# Altium PCB SINA33D3.0.PcbDoc (part 1 of 3)
Units mil, origin at the board's own origin, x right, y up, seen from the top; angles counter-clockwise.
Board outline 5708.66 x 4251.97 mil, 2 copper layers (Top, Bottom), stack 12.7 mil thick; 275 components, 238 nets, 1094 pads, 1002 vias.
Unrouted connection lines stored in the file: 663.
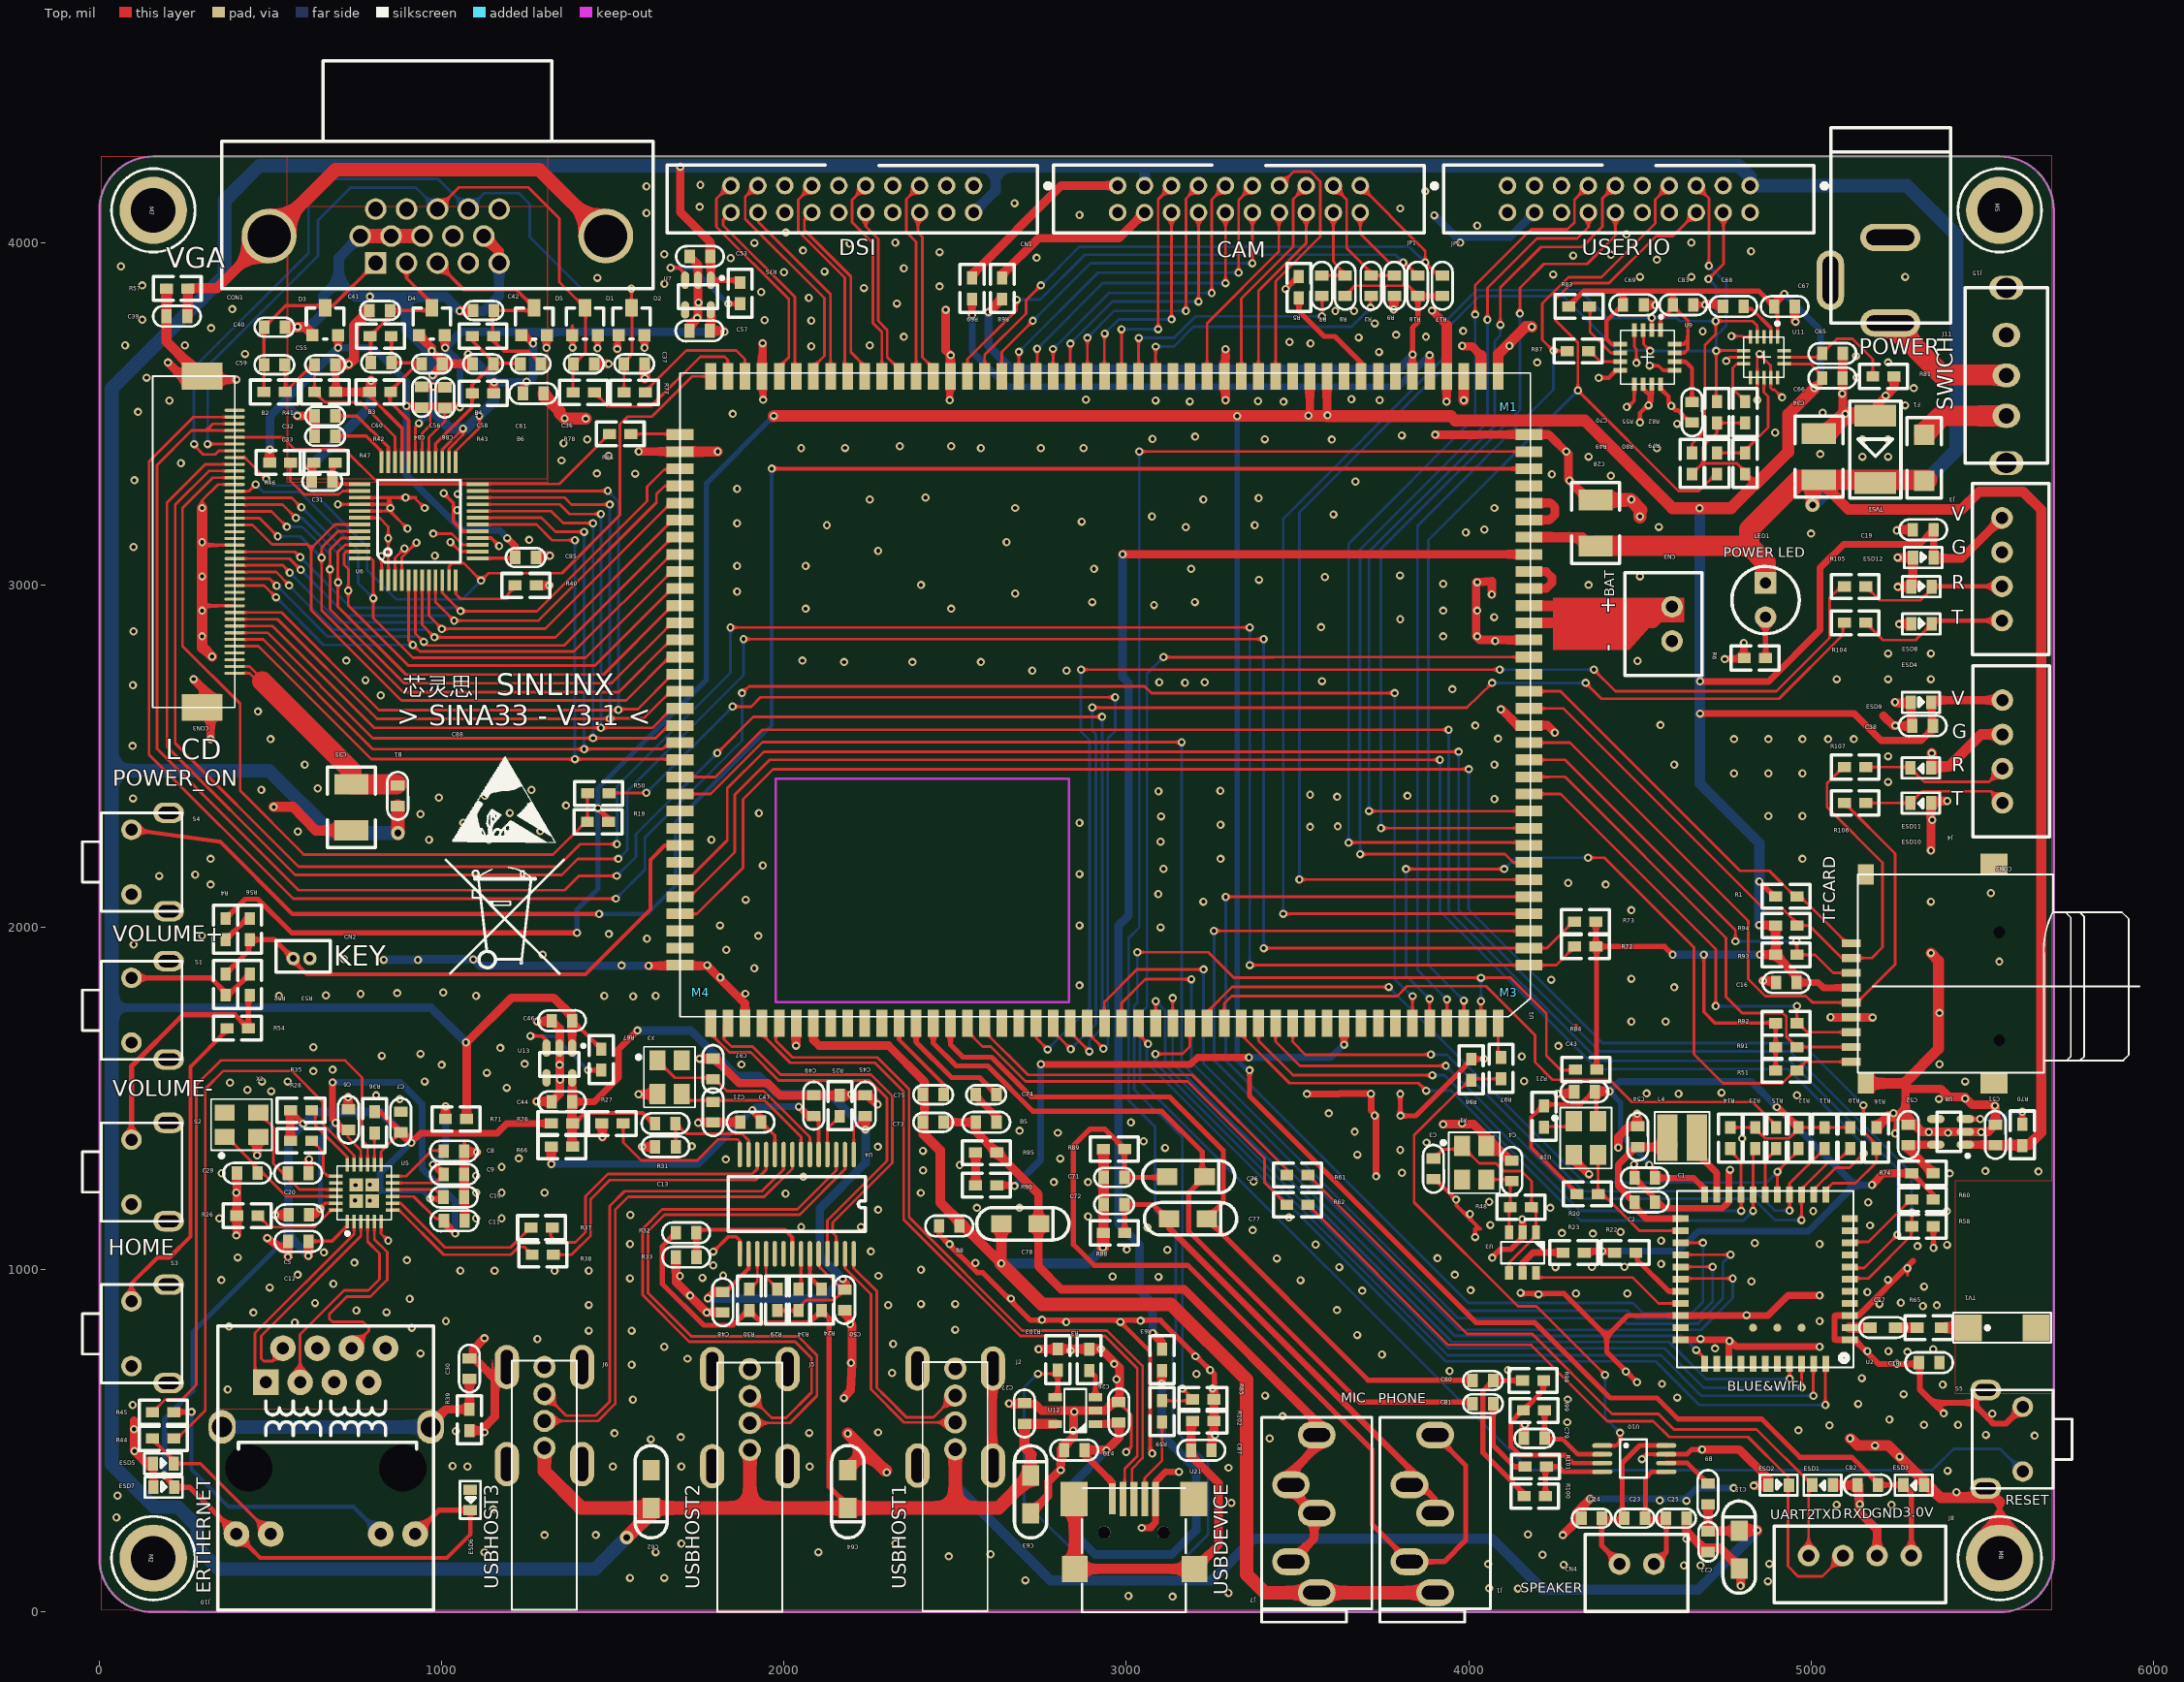
[diagram p0: Top view]
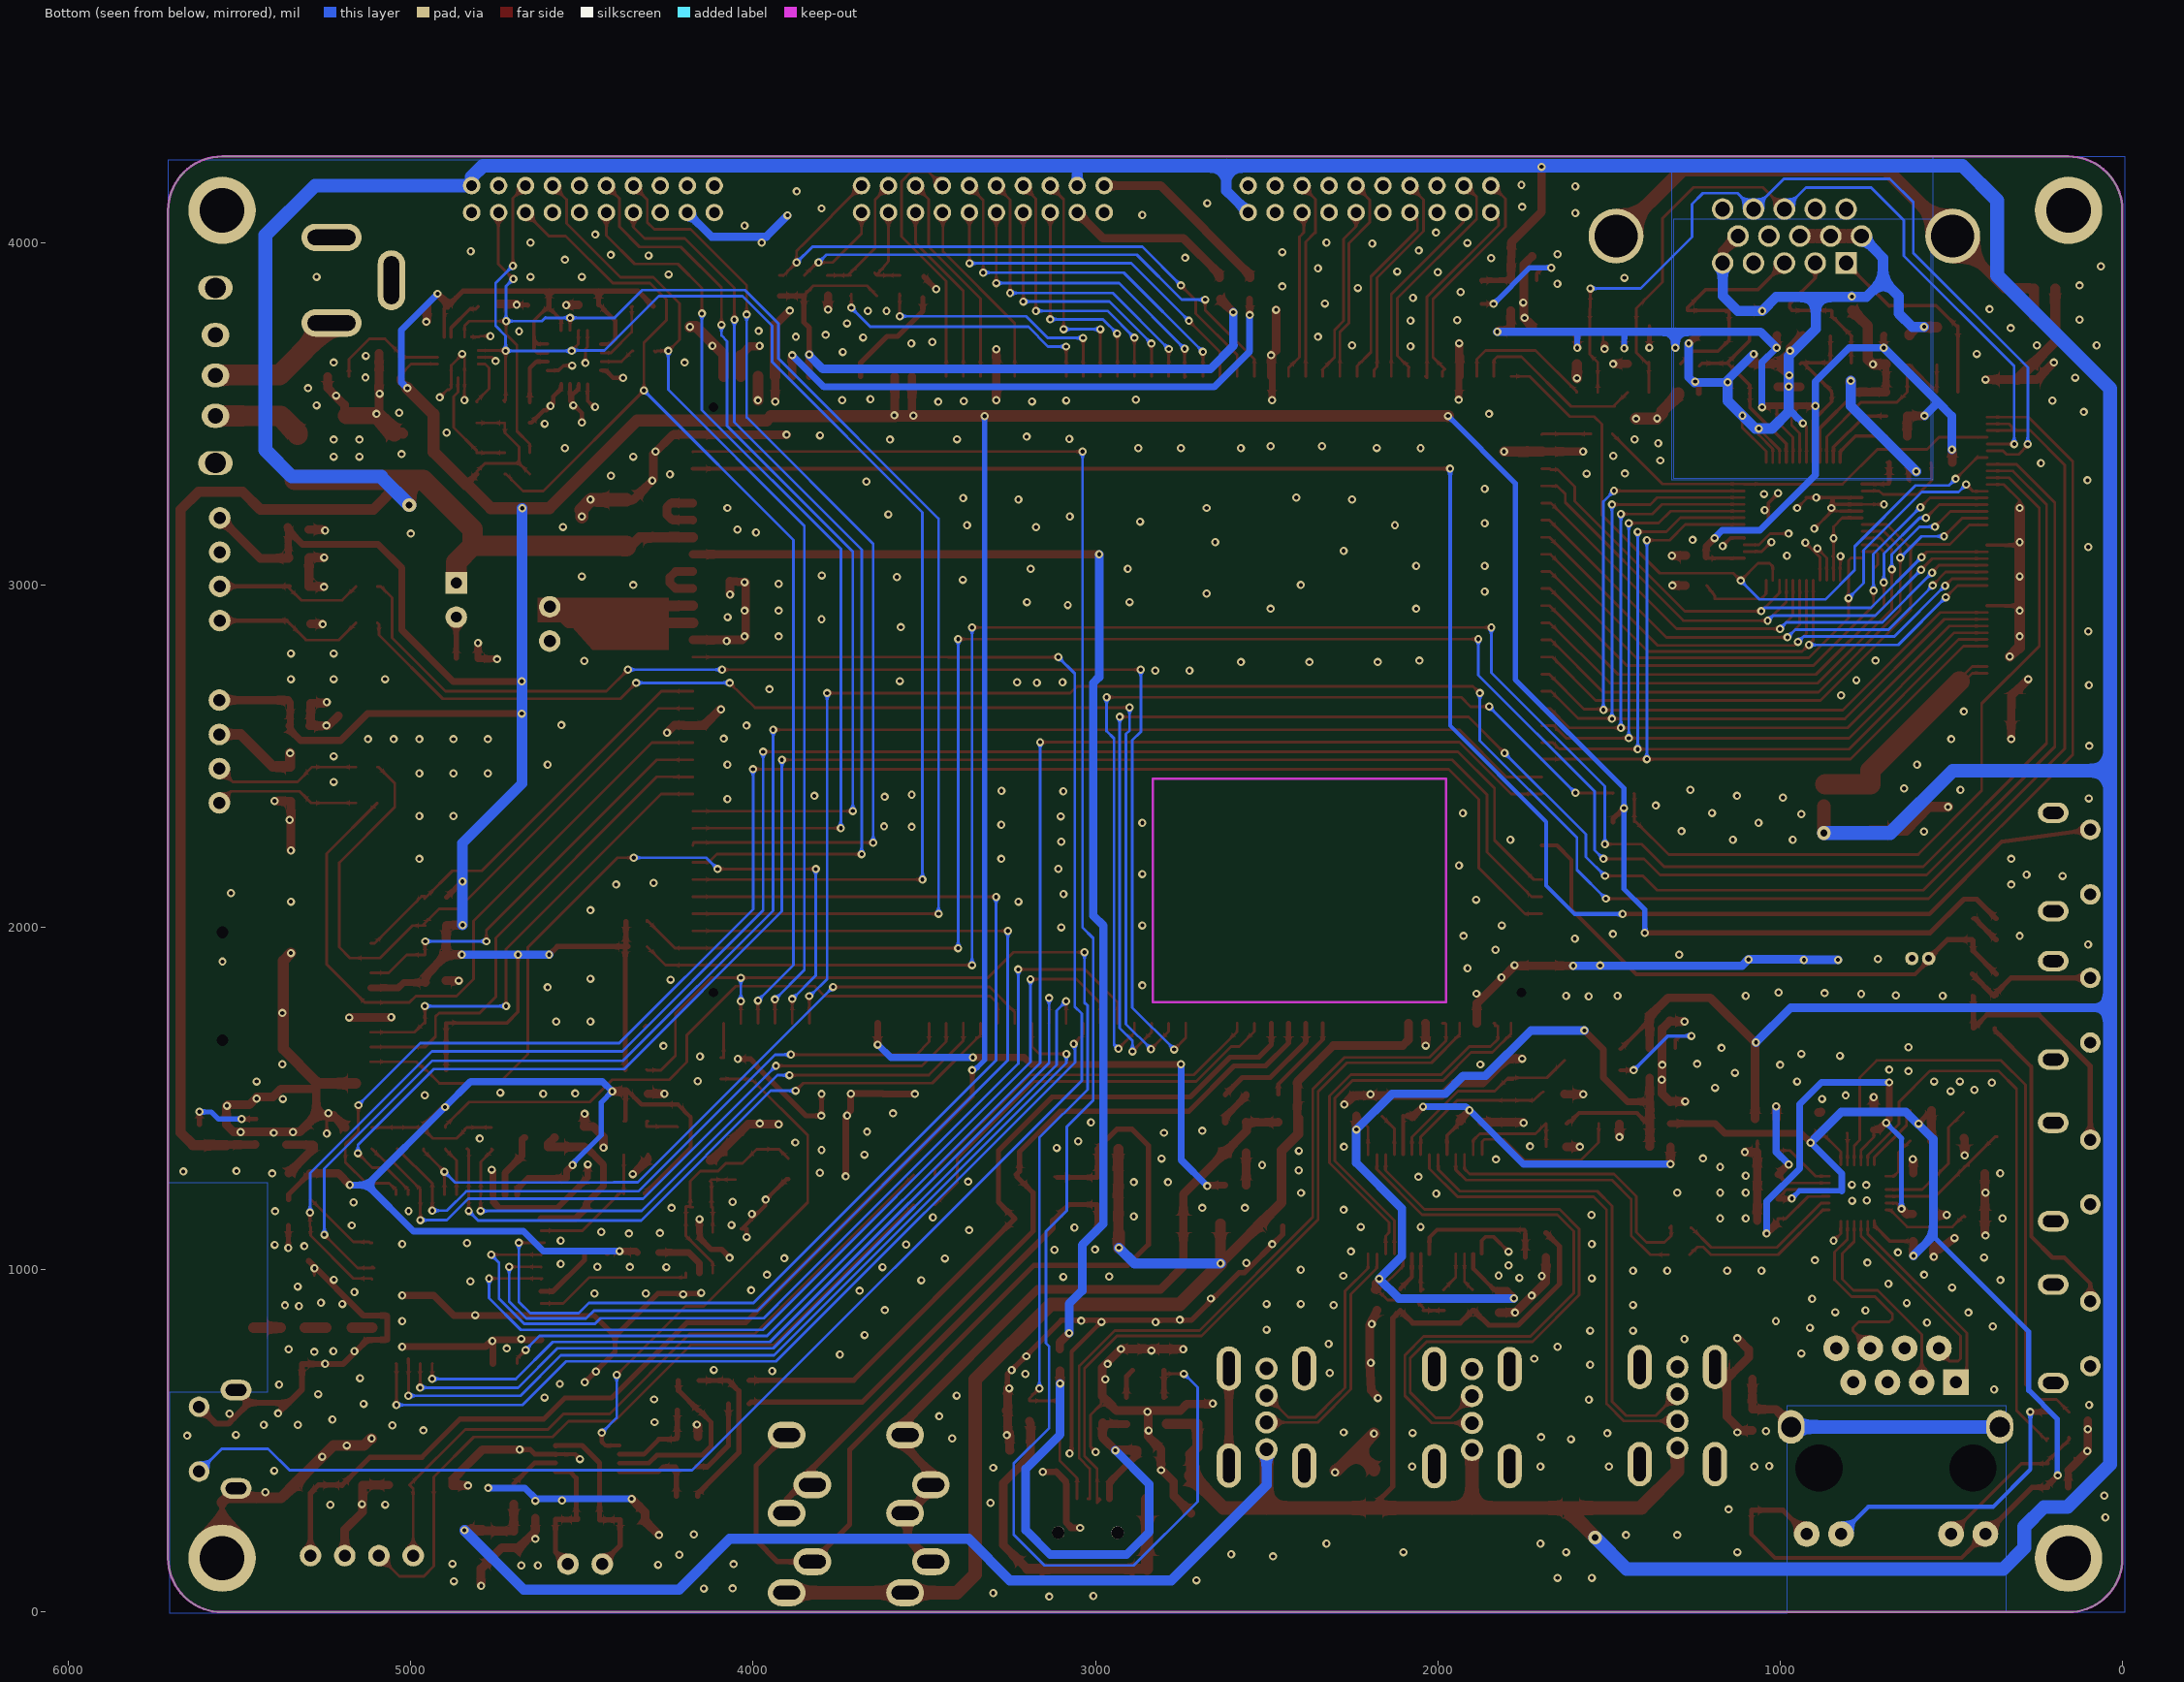
[diagram p1: Bottom view, seen from below]

## Layer stack, top to bottom
Solder Mask Top: solder mask 0.4, Solder Resist, Dk 3.5
Top: signal copper 1.35
Dielectric 1: dielectric 10, FR-4, Dk 4.3
Bottom: signal copper 1.35
Solder Mask Bottom: solder mask 0.4, Solder Resist, Dk 3.5

## Board outline
157.48,4251.97 5551.18,4251.97 cw(c5551.18,4094.49) 5708.66,4094.49 5708.66,157.48 cw(c5551.18,157.48) 5551.18,0 157.48,0 cw(c157.48,157.48) 0,157.48 0,4094.49 cw(c157.48,4094.49)

## Design rules (kind name [scope] priority, off if disabled: settings)
Clearance "Clearance - Default - DEFAULT- SMD" [IsVia vs IsSMTPin] p1: gap=6 ignorepadtopadclearanceinfootprint=FALSE
Clearance "Clearance - Default - DEFAULT - Via" [IsVia vs IsVia] p2: gap=6 ignorepadtopadclearanceinfootprint=FALSE
Clearance "Clearance - Default - DEFAULT - Net" [All] p3: gap=7 ignorepadtopadclearanceinfootprint=FALSE except(0: Arc-Hole Track-Hole SMDPad-Hole THPad-Hole Via-Hole Fill-Hole Poly-Hole Region-Hole Text-Hole; 5.91: Arc-Fill Arc-Poly Arc-Region Track-Fill Track-Poly Track-Region SMDPad-Fill SMDPad-Poly SMDPad-Region; 10: THPad-Fill THPad-Poly THPad-Region Via-Fill Via-Poly Via-Region Fill-Fill Fill-Poly Fill-Region Poly-Poly Poly-Region Region-Region Text-Text)
ComponentClearance "ComponentClearance - Default - DEFAULT" [All] p1: gap=7 collisioncheckmode=3 verticalgap=10 showdistances=FALSE
FanoutControl Fanout_Small [(CompPinCount < 5)] p2: bgadir=Out bgaviamode=Centered fanoutstyle=Auto fanoutdirection=OutThenIn viagrid=1 // Fanout_Small (Default Rule)
FanoutControl Fanout_LCC [IsLCC] p3: bgadir=Out bgaviamode=Centered fanoutstyle=Auto fanoutdirection=Alternating viagrid=1 // Fanout_LCC (Default Rule)
FanoutControl Fanout_SOIC [IsSOIC] p4: bgadir=Out bgaviamode=Centered fanoutstyle=Auto fanoutdirection=Alternating viagrid=1 // Fanout_SOIC (Default Rule)
HoleToHoleClearance "HoleToHoleClearance - Default - DEFAULT" [All] p1: gap=7 allowstackedmicrovias=TRUE
Length "Default Length" [All] p1: maxlimit=50000 minlimit=0
MaxMinImpedance "Default Impedance" [All] p1: minimum=50.00 maximum=150.0
ParallelSegment "Default Parallel Segment Adjasent" [All] p1: limit=1000 gap=200
ParallelSegment "Default Parallel Segment Same Layer" [All] p2: limit=1000 gap=200
PlaneConnect "Default PlaneConnect" [All] p1: planeconnectstyle=Relief reliefexpansion=20 reliefentries=0 reliefconductorwidth=35 reliefairgap=10
PolygonConnect "PolygonConnect - Default SMT" [IsSMTPin] p1: connectstyle=Relief reliefconductorwidth=15 reliefentries=4 polygonreliefangle="45 Angle" airgapwidth=10
PolygonConnect "PolygonConnect - Default Pad" [All] p2: connectstyle=Relief reliefconductorwidth=35 reliefentries=4 polygonreliefangle="45 Angle" airgapwidth=10
RoutingLayers "RoutingLayers - Default - DEFAULT" [All] p1: top layer_v5=TRUE bottom layer_v5=TRUE
RoutingPriority "RoutingPriority - Default - DEFAULT" [All] p1: routingpriority=3
RoutingTopology "RoutingTopology - Net - GND" [InNet('GND') vs InNet('GND')] p1: topology=Shortest
RoutingTopology "Default Routing Topology" [All] p2: topology=Shortest
RoutingVias "RoutingVias - Default - DEFAULT" [All] p1: holewidth=12 width=24 viastyle="Through Hole" minholewidth=12 minwidth=24 maxholewidth=12 maxwidth=24
SMDToCorner "SMDToCorner - Default - DEFAULT" [All] p1: distance=60000
SolderMaskExpansion "SolderMaskExpansion from CAM settings" [All] p1: expansion=5
Width "Default Width" [All] p1: maxlimit=100 minlimit=8 preferedwidth=8
19 further rules are at their usual default settings.

## Components (designator, comment, footprint, x,y, rotation, side; value= is the part's Value field where it differs from the comment)
B1 "0603A" 0603A 871.66,2353.94 r90 top
B2 "0603" 0603 511.42,3563.78 r180 top
B3 "0603" 0603 821.26,3726.77 r180 top
B4 "0603" 0603 1120.48,3726.77 r0 top
B5 "0603A" 0603A 2620.87,1431.1 r180 top
B6 "0603A" 0603A 1297.64,3560.24 r180 top
B8 "0603A" 0603A 2513,1128.35 r180 top
B9 "0603A" 0603A 4698.43,375.59 r270 top
C1 "0603A" 0603A 4544.53,1268.51 r180 top
C2 "0603A" 0603A 4544.53,1198.43 r180 top
C3 "0603A" 0603A 3896.46,1325.2 r270 top
C4 "0603A" 0603A 4126.38,1258.27 r90 top
C5 "0603A" 0603A 551.97,1160.24 r0 top
C6 "0603A" 0603A 727.17,1468.9 r270 top
C7 "0603A" 0603A 880.71,1401.18 r90 top
C8 "0603A" 0603A 1066.15,1346.85 r180 top
C9 "0603A" 0603A 1066.15,1279.14 r180 top
C10 "0603A" 0603A 1004.73,1211.81 r0 top
C11 "0603A" 0603A 1006.3,1142.52 r0 top
C12 "0603A" 0603A 550.79,1082.29 r0 top
C13 "0603A" 0603A 1683.86,1359.85 r180 top
C14 "0603A" 0603A 2877.95,473.62 r180 top
C15 "3216A" 3216A 4790.16,237.01 r90 top
C16 "0603A" 0603A 4957.88,1839.18 r180 top
C17 "0603ABA" 0603ABA 5180,830.71 r0 top
C18 "0603A" 0603A 5314.57,727.95 r0 top
C19 "0603A" 0603A 5357.87,3162.2 r180 top
C20 "0603A" 0603A 611.03,1282.29 r180 top
C21 "0603A" 0603A 1792.92,1429.92 r90 top
C22 "C_0603" C_0603 4699.22,205.91 r270 top
C23 "C_0603" C_0603 4484.26,274.02 r0 top
C24 "C_0603" C_0603 4359.06,274.02 r0 top
C25 "C_0603" C_0603 4605.91,274.02 r180 top
C26 "0603A" 0603A 2978.35,553.15 r90 top
C27 "0603A" 0603A 2702.76,550 r90 top
C28 "1210" 1210 4370.48,3181.11 r90 top
C29 "0603A" 0603A 401.58,1281.5 r0 top
C30 "0603A" 0603A 1080.32,741.74 r270 top
C31 "C_0603" C_0603 650.79,3303.15 r0 top
C32 "C_0603" C_0603 659.06,3493.7 r0 top
C33 "C_0603" C_0603 659.06,3434.26 r0 top
C34 "1210" 1210 5022.84,3374.81 r90 top
C35 "1210" 1210 735.83,2350.79 r270 top
C36 "C_0603" C_0603 1415.36,3646.07 r180 top
C37 "C_0603" C_0603 1562.6,3646.07 r180 top
C38 "0603A" 0603A 5356.3,2588.98 r180 top
C39 "0603A" 0603A 196.07,3784.65 r0 top
C40 "C_0603" C_0603 511.82,3753.15 r180 top
C41 "C_0603" C_0603 819.3,3801.97 r0 top
C42 "C_0603" C_0603 1121.66,3801.97 r0 top
C43 "0603A" 0603A 4368.5,1520 r180 top
C44 "0603A" 0603A 1381.5,1491.34 r180 top
C45 "0603A" 0603A 2237.8,1448.82 r90 top
C46 "0603A" 0603A 1381.5,1727.96 r180 top
C47 "0603A" 0603A 1932.68,1431.5 r180 top
C48 "0603A" 0603A 1820.48,935.44 r270 top
C49 "0603A" 0603A 2087.01,1448.82 r90 top
C50 "0603A" 0603A 2176.78,942.13 r270 top
C51 "0603A" 0603A 5538.98,1363.39 r90 top
C52 "0603A" 0603A 5284.65,1363.39 r90 top
C53 "0603A" 0603A 1784.65,3960.24 r180 top
C54 "0603A" 0603A 4494.1,1358.27 r90 top
C55 "C_0603" C_0603 659.06,3643.31 r0 top
C56 "C_0603" C_0603 971.26,3646.07 r0 top
C57 "0603A" 0603A 1783.47,3742.92 r180 top
C58 "C_0603" C_0603 1120.87,3646.07 r180 top
C59 "C_0603" C_0603 511.03,3643.31 r0 top
C60 "C_0603" C_0603 822.84,3649.22 r0 top
C61 "C_0603" C_0603 1259.85,3646.07 r180 top
C62 "3216A" 3216A 1611.42,304.33 r270 top
C63 "3216A" 3216A 2720.47,398.43 r90 top
C64 "3216A" 3216A 2185.83,304.33 r270 top
C65 "0603A" 0603A 5092.92,3676.77 r180 top
C66 "0603A" 0603A 5031.89,3604.33 r0 top
C67 "0603A" 0603A 4892.13,3813 r0 top
C68 "0603A" 0603A 4803.15,3814.18 r180 top
C69 "0603A" 0603A 4450.79,3817.72 r0 top
C70 "0603A" 0603A 4652.76,3474.02 r90 top
C71 "C_0603" C_0603 2963.78,1269.69 r0 top
C72 "C_0603" C_0603 2963.78,1190.55 r0 top
C73 "C_0603" C_0603 2435.43,1430.71 r0 top
C74 "C_0603" C_0603 2590.16,1511.42 r0 top
C75 "C_0603" C_0603 2435.43,1511.42 r0 top
C76 "3216A" 3216A 3228.74,1271.66 r0 top
C77 "3216A" 3216A 3234.65,1148.82 r0 top
C78 "3216A" 3216A 2744.49,1133.86 r0 top
C79 "C_0603" C_0603 4191.74,507.48 r180 top
C80 "C_0603" C_0603 4041.74,676.38 r180 top
C81 "C_0603" C_0603 4041.74,608.66 r180 top
C82 "0603A" 0603A 5195.67,371.65 r180 top
C83 "0603A" 0603A 4596.07,3818.11 r0 top
C84 "C_0603" C_0603 941.74,3548.82 r90 top
C85 "C_0603" C_0603 1244.89,3080.32 r0 top
C86 "C_0603" C_0603 1009.06,3546.85 r90 top
C87 "0603A" 0603A 3249.21,473.23 r180 top
C88 "HAND_LOGO_TOP" HAND_LOGO_TOP 1147.64,2375.59 r0 top
C97 "0603A" 0603A 1792.13,1616.93 r270 top
CN1 "IDC20S" IDC20S 2553.94,4165.75 r180 top
CN2 "CON2-2.0D" CON2-2.0D 614.96,1909.06 r0 top
CN3 "CON2-2.54D" CON2-2.54D 4594.1,2936.42 r270 top
CN4 "CON2-2.54D" CON2-2.54D 4440.56,140.16 r0 top
CON1 "VGACONX" VGACONX 987.41,3940.55 r180 top
CON2 "MEMO_HOLD_TFRPN_00815_TP01" MEMO_HOLD_TFRPN_00815_TP01 5136.62,2154.57 r270 top
CON3 "FPC40" FPC40 395.28,2742.52 r90 top
D1 "SOT23" SOT23 1418.51,3809.85 r0 top
D2 "SOT23" SOT23 1554.34,3809.85 r0 top
D3 "SOT23" SOT23 659.45,3809.85 r0 top
D4 "SOT23" SOT23 971.26,3809.85 r0 top
D5 "SOT23" SOT23 1270.08,3809.85 r0 top
ESD1 "LED_0603" LED_0603 5063.78,371.65 r180 top
ESD2 "LED_0603" LED_0603 4875.2,370.47 r0 top
ESD3 "LED_0603" LED_0603 5329.92,371.65 r180 top
ESD4 "LED_0603" LED_0603 5292.13,2885.83 r0 top
ESD5 "LED_0603" LED_0603 156.3,433.07 r0 top
ESD6 "LED_0603" LED_0603 1082.68,357.87 r270 top
ESD7 "LED_0603" LED_0603 157.88,364.18 r0 top
ESD8 "LED_0603" LED_0603 5292.13,2994.49 r0 top
ESD9 "LED_0603" LED_0603 5290.94,2656.3 r0 top
ESD10 "LED_0603" LED_0603 5350.79,2363.78 r180 top
ESD11 "LED_0603" LED_0603 5350.79,2466.14 r180 top
ESD12 "LED_0603" LED_0603 5297.64,3079.53 r0 top
F1 "1206" 1206 5330.71,3371.66 r270 top
J1 "PHONE1" PHONE1 3901.97,56.7 r270 top
J2 "USB-A8" USB-A8 2500,553.94 r0 top
J3 "CON4-2.54D" CON4-2.54D 5557.87,3096.06 r90 top
J4 "CON4-2.54D" CON4-2.54D 5559.06,2563.78 r90 top
J5 "USB-A8" USB-A8 1900,552.36 r0 top
J6 "USB-A8" USB-A8 1300,558.27 r0 top
J7 "PHONE1" PHONE1 3555.91,56.7 r270 top
J8 "CON4-2.54D" CON4-2.54D 5192.91,164.96 r0 top
J10 "RJ-45A12" RJ-45A12 486.22,670.87 r270 top
J11 "JACK-2.5MM_B" JACK-2.5MM_B 5231.5,3765.36 r0 top
J15 "SW_PB5" SW_PB5 5570.48,3612.21 r90 top
JP1 "IDC20S" IDC20S 3683.47,4165.75 r180 top
JP2 "IDC20S" IDC20S 4822.45,4165.75 r180 top
L4 "CD35" CD35 4623.23,1385.83 r180 top
LED1 "LED_3MM" LED_3MM 4866.93,2956.11 r0 top
M1 "DWK07MM" DWK07MM 4115.99,3519.57 r0 top
M2 "ZPK" ZPK 157.48,157.48 r0 top
M3 "DWK07MM" DWK07MM 4115.99,1809.57 r0 top
M4 "DWK07MM" DWK07MM 1755.67,1809.57 r0 top
M5 "ZPK" ZPK 5551.18,4094.49 r0 top
M7 "ZPK" ZPK 157.48,4094.49 r0 top
M8 "ZPK" ZPK 5551.18,157.48 r0 top
R1 "0603" 0603 4927.56,2090.75 r180 top
R2 "0603A" 0603A 3714.18,3904.73 r270 top
R3 "0603" 0603 2891.34,737.01 r270 top
R4 "0603" 0603 368.9,1994.89 r270 top locked
R5 "0603" 0603 3503.94,3869.69 r90 top
R6 "0603" 0603 4836.22,2787.01 r180 top
R7 "0603A" 0603A 3570.48,3904.73 r270 top
R8 "0603A" 0603A 3638.59,3904.73 r270 top
R9 "0603A" 0603A 3783.47,3843.7 r90 top
R10 "0603" 0603 5114.18,1384.65 r90 top
R11 "0603" 0603 5039.37,1384.65 r90 top
R12 "0603" 0603 4962.6,1384.65 r90 top
R13 "0603" 0603 4836.62,1384.65 r90 top
R14 "0603" 0603 4764.18,1384.65 r90 top
R15 "0603" 0603 4898.43,1384.65 r90 top
R16 "0603" 0603 5190.95,1384.65 r270 top
R17 "0603A" 0603A 3922.45,3904.73 r270 top
R18 "0603A" 0603A 3850,3904.73 r270 top
R19 "0603" 0603 1456.7,2308.27 r0 top
R20 "0603" 0603 4346.85,1221.26 r180 top
R21 "0603" 0603 4220.08,1447.64 r90 top
R22 "0603" 0603 4457.09,1050 r0 top
R23 "0603" 0603 4306.7,1050 r0 top
R24 "0603" 0603 2109.45,911.81 r90 top
R25 "0603" 0603 2163,1479.14 r270 top
R26 "0603" 0603 431.89,1157.88 r0 top
R27 "0603" 0603 1498.43,1427.17 r0 top
R28 "0603" 0603 588.98,1376.77 r0 top
R29 "0603" 0603 1980.71,911.81 r90 top
R30 "0603" 0603 1898.43,911.81 r90 top
R31 "0603A" 0603A 1622.84,1426.77 r0 top
R32 "0603A" 0603A 1683.47,1107.48 r0 top
R33 "0603A" 0603A 1744.49,1037.4 r180 top
R34 "0603" 0603 2042.13,911.81 r90 top
R35 "0603" 0603 588.98,1465.75 r0 top
R36 "0603" 0603 803.94,1430.32 r90 top
R37 "0603" 0603 1291.74,1122.84 r0 top
R38 "0603" 0603 1295.28,1043.7 r0 top
R39 "0603" 0603 1080.71,561.42 r270 top
R40 "0603" 0603 1245.28,2998.82 r0 top
R41 "0603" 0603 659.45,3563.78 r180 top
R42 "0603" 0603 819.69,3563.78 r0 top
R43 "0603" 0603 1120.87,3559.85 r180 top
R44 "0603" 0603 186.22,507.48 r180 top
R45 "0603" 0603 186.22,583.86 r0 top
R46 "0603" 0603 527.96,3357.88 r180 top
R47 "0603" 0603 657.09,3357.88 r180 top
R48 "0603" 0603 4152.37,1182.68 r0 top
R49 "0603" 0603 4652.37,3355.12 r270 top
R50 "0603" 0603 1457.88,2391.34 r180 top
R51 "0603" 0603 4927.56,1582.48 r180 top
R52 "0603" 0603 368.9,1833.07 r90 top locked
R53 "0603" 0603 438.98,1833.07 r90 top locked
R54 "0603" 0603 403.94,1705.52 r0 top locked
R55 "0603" 0603 4725.2,3504.33 r270 top
R56 "0603" 0603 438.98,1994.89 r90 top locked
R57 "0603" 0603 227.17,3866.14 r180 top
R58 "0603" 0603 5325.59,1126.77 r0 top
R59 "0603" 0603 3103.94,586.22 r270 top
R60 "0603" 0603 5325.59,1204.73 r0 top
R61 "0603" 0603 3499.61,1276.77 r180 top
R62 "0603" 0603 3499.61,1189.76 r180 top
R63 "0603" 0603 3103.94,737.01 r90 top
R65 "0603CA" 0603CA 5345,830.71 r180 top
R66 "0603" 0603 1351.19,1359.45 r0 top
R67 "0603" 0603 1465.75,1613.78 r90 top
R68 "0603" 0603 2637.4,3866.14 r270 top
R69 "0603" 0603 2548.82,3866.14 r270 top
R70 "0603" 0603 5617.32,1393.7 r270 top
R71 "0603" 0603 1041.74,1440.55 r0 top
R72 "0603" 0603 4340.56,1944.1 r180 top
R73 "0603" 0603 4340.56,2016.54 r180 top
R74 "0603" 0603 5325.59,1281.89 r0 top
R75 "0603" 0603 1871.66,3852.37 r90 top
R76 "0603" 0603 1351.19,1427.17 r0 top
R77 "0603" 0603 1563.39,3562.6 r180 top
R78 "0603" 0603 1414.57,3562.6 r180 top
R79 "0603" 0603 4807.48,3355.12 r90 top
R80 "0603" 0603 4725.2,3355.12 r270 top
R81 "0603" 0603 5211.42,3609.45 r180 top
R82 "0603" 0603 4807.48,3504.33 r90 top
R83 "0603" 0603 4322.45,3813.78 r0 top
R84 "0603" 0603 4342.52,1584.65 r0 top
R85 "0603" 0603 3224.02,621.26 r0 top
R86 "0603" 0603 1521.26,3441.34 r180 top
R87 "0603" 0603 4319.3,3683.47 r0 top
R88 "0603" 0603 2964.18,1107.48 r180 top
R89 "0603" 0603 2964.18,1352.76 r180 top
R90 "0603" 0603 2590.56,1246.85 r180 top
R91 "0603" 0603 4927.56,1650 r180 top
R92 "0603" 0603 4927.56,1720 r180 top
R93 "0603" 0603 4927.56,1919.89 r180 top
R94 "0603" 0603 4927.56,2005.32 r180 top
R95 "0603" 0603 2590.56,1342.13 r0 top
R96 "0603" 0603 4007.09,1584.26 r270 top
R97 "0603" 0603 4094.49,1588.59 r270 top
R98 "0603" 0603 4188.19,676.38 r180 top
R99 "0603" 0603 4190.56,588.98 r180 top
R100 "0603" 0603 4192.92,338.59 r0 top
R101 "0603" 0603 4195.28,424.81 r0 top
R102 "0603" 0603 3224.02,557.87 r0 top
R103 "0603" 0603 2799.61,737.4 r270 top
R104 "0603" 0603 5128.74,2889.76 r180 top
R105 "0603" 0603 5128.74,2995.67 r180 top
R106 "0603" 0603 5128.74,2363.39 r180 top
R107 "0603" 0603 5128.74,2468.11 r180 top
S1 "RST_KEY" RST_KEY 5.12,1614.17 r0 top locked
S2 "RST_KEY" RST_KEY 5.12,1141.73 r0 top locked
S3 "RST_KEY" RST_KEY 5.12,669.29 r0 top locked
S4 "RST_KEY" RST_KEY 5.12,2047.24 r0 top
S5 "RST_KEY" RST_KEY 5707.09,648.82 r180 top
TV1 "ANTI" ANTI 5459.84,830.31 r90 top
TVS1 "DO-214AB" DO-214AB 5187.8,3396.07 r270 top
U1 "YPK_158_1.27D" YPK_158_1.27D 1785.83,1759.06 r180 top
U2 "RTL8723BS" RTL8723BS 4866.15,972.44 r180 top
U3 "SOT23-6" SOT23-6 4196.46,1109.06 r90 top
U4 "SSOP28" SSOP28 2037.01,1191.34 r270 top
U5 "QFN24" QFN24 773.63,1224.02 r180 top
U6 "LQFP48" LQFP48 932.68,3186.22 r0 top
U7 "XC6218B" XC6218B 1748.43,3846.85 r180 top
U8 "XC6218B" XC6218B 5407.48,1402.76 r90 top
U9 "L3GD20HTR" L3GD20HTR 4522.05,3665.36 r0 top
U10 "SO8NB" SO8NB 4483.47,448.03 r270 top
U11 "LGA-16" LGA-16 4862.21,3665.36 r0 top
U12 "SOT-25" SOT-25 2909.61,549.21 r0 top
U13 "XC6218B" XC6218B 1343.7,1603.94 r180 top
U18 "OSC3225B" OSC3225B 4306.7,1433.86 r270 top
U21 "USB$5C$S" USB$5C$S 3022.05,0 r180 top
X1 "OSC3225" OSC3225 3980.71,1361.81 r270 top
X2 "OSC3225C" OSC3225C 365.75,1388.19 r0 top
X3 "OSC3225A" OSC3225A 1629.93,1611.81 r270 top

## Footprints (in the part's own frame and the unit in brackets; to place one, negate y for a bottom-side part, rotate by r counter-clockwise, add the part's x,y. Pads: shape width x height; smd on the part's side, far side on the other; paste and mask are expansions set on the pad)
0603 [mil]
  rect 38x30 smd: 1(-31,0) 2(31,0)
  silkscreen extent -70,-35 70,35
0603A [mil]
  rect 30x40 smd: 1(0.31,0.44) 2(60.31,0.44)
  silkscreen extent -39,-30 100,31
0603ABA [mm]
  rect 1.016x0.8 smd: 1(-0.2,0.011) 2(1.7,0.011)
  silkscreen extent -0.99,-0.76 2.54,0.78
0603CA [mm]
  rect 0.965x0.8 smd: 1(-0.9,0) 2(0.9,0)
  silkscreen extent -1.78,-0.89 1.78,0.89
1206 [mil]
  rect 60x60 smd: 1(-67.5,0) 2(67.5,0)
  silkscreen extent -118,-50 118,50
1210 [mil]
  rect 60x100 smd: 1(-67.5,0) 2(67.5,0)
  silkscreen extent -118,-70 118,70
3216A [mil]
  rect 60x50 smd: 1(0.16,0.23) 2(-109.84,0.23)
  silkscreen extent -182,-47 88,47